# KiCad board poly_kb_wave_left.kicad_pcb (continued)
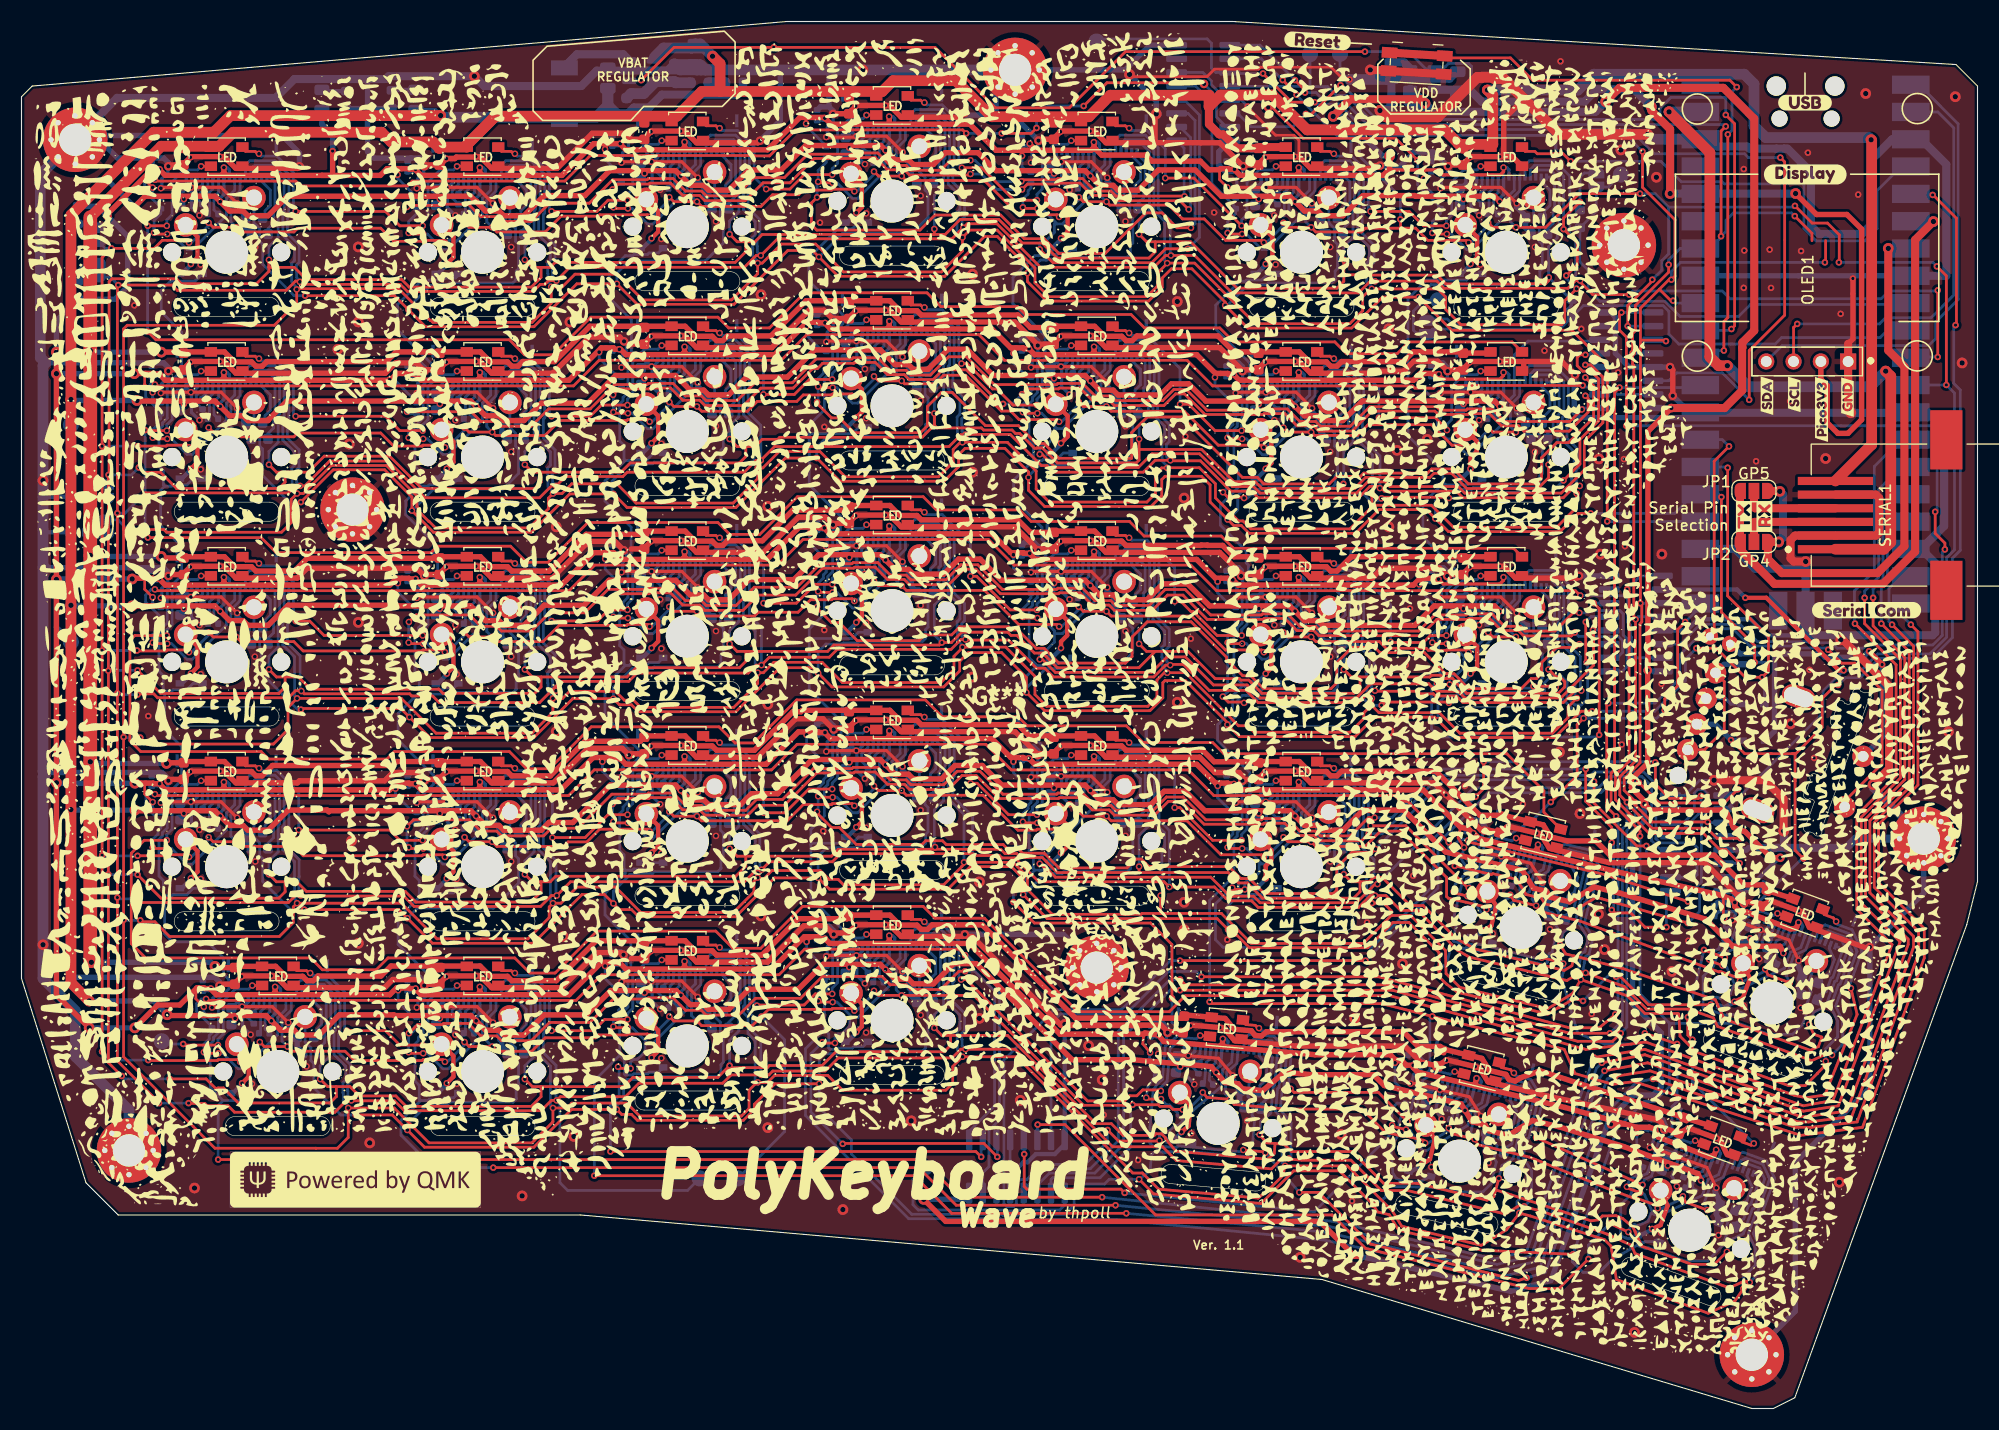
[diagram p0: board, top side]
## Routing (per net, layer and track width the routed paths; a pad name or vN(x,y) marks a point on that pad's centre or on a via; arc(x,y) is an arc through that point) (continued)
/K_D/C2P: length 3
  Bottom w0.254: C5_18.1 78.18,79.24 78.18,79.93 78.75,80.5 CONN18.4
/K_D/CS: length 105.7
  Top w0.254: v3(75.47,75.9) 74.22,75.9 v3(74.12,76) ; v3(144.96,71.09) 144.66,70.79 142.85,70.79 141.44,69.38 141.44,68.35 140.97,67.89 140.47,67.89 139.53,66.95 134.65,66.95 133.87,67.73 133.87,67.76 133.29,68.34 132.61,68.34 132.6,68.34 132.5,68.34 130.54,70.3 126.4,70.3 125.91,70.79 123.8,70.79 122.39,69.38 122.39,67.49 121.84,66.95 115.58,66.95 114.37,68.15 113.64,68.15 112.14,69.65 112.14,69.86 108.83,73.17 104.75,73.17 103.34,71.76 103.34,69.94 102.72,69.33 96.53,69.33 95.15,70.7 94.42,70.7 92.71,72.41 92.13,72.41 91.85,72.7 87.3,72.7 86.55,71.95 84.05,71.95 83.51,71.41 77.77,71.41 76.1,73.08 75.37,73.08 74.03,74.43 v3(74.03,74.55)
  Bottom w0.254: R1_18.2 74.88,77.8 74.61,77.54 74.61,77.24 74.12,76.75 v3(74.12,76) ; CONN18.10 81.75,79.97 80.99,79.21 80.99,77.63 77.81,74.46 77.32,74.46 75.88,75.9 v3(75.47,75.9) ; v3(144.96,71.09) 147.72,71.09 U6.3 ; v3(74.12,76) 74.03,75.9 v3(74.03,74.55) ; v3(74.12,76) 74.11,75.98
/K_D/LED_DIN: length 26.5
  Top w0.254: v3(88.3,77.4) 88.87,77.4 92,74.28 v3(94.48,74.28) ; v3(84.01,83.36) 83.88,83.36 83.66,83.59 82.76,83.59 82.37,83.98 ; v3(97.68,79.82) 98.58,79.82 LED19.2
  Bottom w0.254: v3(94.48,74.28) 94.48,74.83 94.98,75.32 94.98,78.37 96.1,79.48 97.34,79.48 v3(97.68,79.82) ; v3(88.3,77.4) 88.3,80.52 85.67,83.14 84.23,83.14 v3(84.01,83.36)
/K_D/LED_DOUT: length 26.1
  Top w0.254: LED18.2 79.53,82.2 v3(78.62,82.2) ; v3(75.43,76.66) 73.86,76.66 72.1,74.9 v3(69.05,74.9) ; v3(64.96,80.98) 64.83,80.98 64.61,81.2 63.71,81.2 63.32,81.6
  Bottom w0.254: v3(64.96,80.98) 65.18,80.76 66.62,80.76 69.05,78.34 v3(69.05,74.9) ; v3(78.62,82.2) 78.29,81.87 77.05,81.87 75.93,80.75 75.93,77.7 75.43,77.21 v3(75.43,76.66)
/K_D/SW-D: length 5.8
  Top w0.4: v3(77.67,73.11) 78.2,73.64 78.2,75.74 SW_K_18.2
  Bottom w0.25: 76.6,72.17 76.81,72.17
  Bottom w0.4: v3(77.67,73.11) 77.67,73.04 76.81,72.17
/K_D/VCOMH: length 4.2
  Bottom w0.254: 84.57,77.51 84.57,78.06 85.07,78.55 85.07,79.99 84.25,80.8 CONN18.15
/K_E/C1N: length 3.8
  Bottom w0.254: CONN11.7 80.25,98.82 79.82,98.39 79.82,97.2 C6_11.2
/K_E/C1P: length 3.6
  Bottom w0.254: C6_11.1 79.4,96.96 79.4,98.82 79.71,99.13 79.71,100.2 CONN11.6
/K_E/C2N: length 1.8
  Bottom w0.254: C5_11.2 78.76,98.85 79.25,99.33 CONN11.5
/K_E/C2P: length 3
  Bottom w0.254: C5_11.1 78.18,98.29 78.18,98.98 78.75,99.55 CONN11.4
/K_E/CS: length 111.3
  Top w0.254: v4(145.51,95.9) 146.28,95.13 146.28,92.16 143.95,89.84 142.85,89.84 141.44,88.43 141.44,86.54 140.89,86 134.63,86 133.24,87.39 131.21,87.39 130.83,87 124.9,87 124.59,86.69 122.39,86.69 121.69,86 115.6,86 114.99,86.6 113.6,86.6 107.98,92.22 104.75,92.22 103.3,90.77 103.3,88.4 103.27,88.38 96.53,88.38 95.15,89.75 94.42,89.75 92.76,91.41 89.69,91.41 86.6,94.5 85.6,94.5 84.29,93.19 84.29,91.39 83.65,90.76 77.48,90.76 76.1,92.13 75.37,92.13 74.03,93.48 v3(74.03,93.6) ; v3(75.47,94.95) 74.22,94.95 v3(74.12,95.05)
  Bottom w0.254: v3(75.47,94.95) 75.88,94.95 77.32,93.51 77.81,93.51 80.99,96.68 80.99,98.26 81.75,99.02 CONN11.10 ; U5.3 145.81,95.59 v4(145.51,95.9) ; v3(74.03,93.6) 74.12,93.7 v3(74.12,95.05) 74.12,95.8 74.61,96.29 74.61,96.59 74.88,96.85 R1_11.2
/K_E/LED_DIN: length 26.5
  Top w0.254: 82.37,103.03 82.76,102.64 83.66,102.64 83.88,102.41 v3(84.01,102.41) ; LED12.2 98.58,98.87 v3(97.68,98.87) ; v3(94.48,93.33) 92.26,93.33 90.76,94.83 90.35,94.83 87.99,97.19 v3(87.46,97.19)
  Bottom w0.254: v3(94.48,93.33) 94.48,93.88 94.98,94.37 94.98,97.42 96.1,98.53 97.34,98.53 v3(97.68,98.87) ; v3(84.01,102.41) 84.23,102.19 85.67,102.19 87.21,100.65 87.21,97.43 v3(87.46,97.19)
/K_E/LED_DOUT: length 25.6
  Top w0.254: v3(64.96,100.03) 64.83,100.03 64.61,100.25 63.71,100.25 63.32,100.65 ; LED11.2 79.53,101.25 v3(78.62,101.25) ; v3(69.04,94.32) 71.91,94.32 73.31,95.71 v3(75.43,95.71)
  Bottom w0.254: v3(69.04,94.32) 69.04,97.4 66.62,99.81 65.18,99.81 v3(64.96,100.03) ; v3(75.43,95.71) 75.43,96.26 75.93,96.75 75.93,99.8 77.05,100.92 78.29,100.92 v3(78.62,101.25)
/K_E/SW-D: length 5.8
  Top w0.4: SW_K_11.2 78.2,94.79 78.2,92.69 v3(77.67,92.16)
  Bottom w0.25: 76.6,91.22 76.81,91.22
  Bottom w0.4: v3(77.67,92.16) 77.67,92.09 76.81,91.22
/K_E/VCOMH: length 4.2
  Bottom w0.254: 84.57,96.56 84.57,97.11 85.07,97.6 85.07,99.04 84.25,99.85 CONN11.15
/K_F/C1N: length 3.8
  Bottom w0.254: C6_19.2 98.87,75.77 98.87,76.96 99.3,77.39 CONN19.7
/K_F/C1P: length 3.6
  Bottom w0.254: C6_19.1 98.45,75.53 98.45,77.39 98.76,77.7 98.76,78.77 CONN19.6
/K_F/C2N: length 1.8
  Bottom w0.254: CONN19.5 98.3,77.9 97.81,77.41 C5_19.2
/K_F/C2P: length 3
  Bottom w0.254: C5_19.1 97.23,76.86 97.23,77.55 97.8,78.12 CONN19.4
/K_F/CS: length 80
  Top w0.254: v3(93.18,73.62) 93.28,73.52 v3(94.53,73.52) ; v3(94.74,69.68) 94.98,69.68 96.2,68.47 105.16,68.47 106.6,69.9 108.3,69.9 110.91,67.3 114.04,67.3 115.25,66.09 124.21,66.09 125.53,67.4 130.95,67.4 131.47,66.88 131.53,66.88 131.71,66.7 133.68,66.7 134.3,66.09 143.23,66.09 146.28,69.13 146.28,72.35 v4(146.21,72.41)
  Bottom w0.254: v3(94.74,69.68) 94.74,70.28 95.02,70.56 95.38,70.56 96.11,71.29 96.11,72.08 ; 96.11,72.08 96.11,72.33 94.93,73.52 v3(94.53,73.52) ; 96.11,72.08 96.86,72.08 100.04,75.25 100.04,76.83 100.8,77.59 CONN19.10 ; U6.4 147.68,72.41 v4(146.21,72.41) ; v3(93.18,73.62) 93.18,74.37 93.66,74.86 93.66,75.16 93.93,75.42 R1_19.2
/K_F/LED_DIN: length 26.5
  Top w0.254: v3(116.72,77.44) 117.63,77.44 LED20.2 ; v3(103.06,80.98) 102.93,80.98 102.71,81.2 101.81,81.2 101.42,81.6 ; v3(107.3,75.07) 107.87,75.07 108.83,74.11 109.04,74.11 111.25,71.9 v3(113.53,71.9)
  Bottom w0.254: v3(113.53,71.9) 113.53,72.45 114.03,72.94 114.03,75.99 115.15,77.1 116.39,77.1 v3(116.72,77.44) ; v3(103.06,80.98) 103.28,80.76 104.72,80.76 107.3,78.19 v3(107.3,75.07)
/K_F/SW-D: length 5.8
  Top w0.4: v3(96.72,70.73) 96.72,71.33 97.3,71.9 97.3,73.31 SW_K_19.2
  Bottom w0.25: 95.65,69.79 95.86,69.79
  Bottom w0.4: 95.86,69.79 96.72,70.66 v3(96.72,70.73)
/K_F/VCOMH: length 4.2
  Bottom w0.254: 103.62,75.13 103.62,75.67 104.12,76.17 104.12,77.61 103.3,78.42 CONN19.15
/K_G/C1N: length 3.8
  Bottom w0.254: CONN20.7 118.35,75.01 117.92,74.58 117.92,73.39 C6_20.2
/K_G/C1P: length 3.6
  Bottom w0.254: CONN20.6 117.81,76.39 117.81,75.32 117.5,75.01 117.5,73.15 C6_20.1
/K_G/C2N: length 1.8
  Bottom w0.254: C5_20.2 116.86,75.03 117.35,75.52 CONN20.5
/K_G/C2P: length 3
  Bottom w0.254: CONN20.4 116.85,75.74 116.28,75.17 116.28,74.48 C5_20.1
/K_G/CS: length 68.6
  Top w0.254: v3(132.81,65.63) 132.73,65.71 126.85,65.71 v4(126.55,65.4) ; v3(113.58,71.14) 112.33,71.14 v3(112.22,71.24) ; v4(145.55,73.15) 145.55,69.49 v4(145.63,69.4) ; v3(111.78,66.21) 112.28,65.71 113.68,65.71 v3(113.76,65.63)
  Bottom w0.254: v4(145.55,73.15) 146.05,73.65 147.71,73.65 U6.5 ; v3(132.81,65.63) 133.14,65.63 133.38,65.88 133.62,65.88 133.67,65.93 133.69,65.93 133.78,66.02 135.26,66.02 135.4,66.16 141.17,66.16 141.71,66.7 141.71,67.48 142.37,68.15 143.23,68.15 143.81,67.57 143.81,66.17 144.55,65.43 145.12,65.43 145.72,66.02 145.72,69.32 v4(145.63,69.4) ; v3(111.78,66.21) 112.22,66.66 v3(112.22,71.24) 112.22,71.99 112.71,72.48 112.71,72.77 112.97,73.04 R1_20.2 ; CONN20.10 119.85,75.21 119.09,74.45 119.09,72.87 115.91,69.7 115.42,69.7 113.98,71.14 v3(113.58,71.14) ; v4(126.55,65.4) 125.47,65.4 124.71,66.16 116.35,66.16 116.21,66.02 114.73,66.02 114.64,65.93 114.62,65.93 114.57,65.88 114.33,65.88 114.09,65.63 v3(113.76,65.63)
/K_G/LED_DIN: length 26.2
  Top w0.254: LED21.2 136.68,77.44 v3(135.78,77.44) ; v3(122.11,78.6) 121.98,78.6 121.76,78.82 120.86,78.82 120.47,79.22 ; v3(132.58,71.9) 131.09,71.9 130.44,71.24 127.45,71.24 v3(127.4,71.29)
  Bottom w0.254: v3(127.4,71.29) 127.4,74.76 123.77,78.38 122.33,78.38 v3(122.11,78.6) ; v3(132.58,71.9) 132.58,72.45 133.08,72.94 133.08,75.99 134.2,77.1 135.44,77.1 v3(135.78,77.44)
/K_G/SW-D: length 5.8
  Top w0.4: v3(115.77,68.35) 116.3,68.88 116.3,70.97 SW_K_20.2
  Bottom w0.25: 114.7,67.41 114.91,67.41
  Bottom w0.4: v3(115.77,68.35) 115.77,68.27 114.91,67.41
/K_G/VCOMH: length 4.2
  Bottom w0.254: CONN20.15 122.35,76.04 123.17,75.22 123.17,73.79 122.67,73.29 122.67,72.74
/K_L1/C1N: length 3.8
  Bottom w0.254: CONN1.7 18.34,113.11 17.91,112.68 17.91,111.49 C6_1.2
/K_L1/C1P: length 3.6
  Bottom w0.254: C6_1.1 17.49,111.25 17.49,113.11 17.8,113.42 17.8,114.49 CONN1.6
/K_L1/C2N: length 1.8
  Bottom w0.254: C5_1.2 16.85,113.13 17.34,113.62 CONN1.5
/K_L1/C2P: length 3
  Bottom w0.254: CONN1.4 16.84,113.84 16.26,113.27 16.26,112.58 C5_1.1
/K_L1/CS: length 127.1
  Top w0.254: v4(98.83,121.14) 100.99,123.3 109.92,123.3 v2(110.03,123.2) ; v3(12.41,114.29) 12.54,114.16 25.53,114.16 25.97,113.71 35.91,113.71 36.35,114.16 50.56,114.16 52.94,116.54 68.16,116.54 68.2,116.5 69.6,116.5 72.02,118.92 87.58,118.92 v4(87.9,118.6) ; v3(13.56,109.24) 12.46,109.24 v3(12.33,109.36) ; v4(91.2,118.6) 93.95,118.6 v4(94.45,119.1)
  Bottom w0.25: 11.46,113.21 12.96,111.71 R1_1.2
  Bottom w0.254: CONN1.10 19.84,113.31 19.07,112.55 19.07,110.97 15.9,107.8 15.4,107.8 13.96,109.24 v3(13.56,109.24) ; v4(94.45,119.1) 94.45,120.08 95.51,121.14 v4(98.83,121.14) ; v3(12.33,109.36) 12.33,109.75 12.34,109.76 12.34,110.51 12.96,111.14 R1_1.2 ; v2(110.03,123.2) 111.18,122.05 111.18,120.13 112.12,119.19 U4.15 ; 11.46,113.21 11.46,113.96 11.79,114.29 v3(12.41,114.29) ; v4(87.9,118.6) v4(91.2,118.6)
/K_L1/LED_DOUT: length 155.3
  Top w0.254: v3(13.52,110) v4(11.75,110) ; v3(16.71,115.54) 17.62,115.54 LED1.2 ; LED14.4 138.68,99.2 129.1,99.2 128,98.1 123.3,98.1 122.2,99.2 112.8,99.2 111.5,100.5 104.49,100.5 103.25,101.75 93.41,101.75 92.68,102.48 85.54,102.48 84.26,103.76 72.86,103.76 69.6,100.5 65.8,100.5 64.8,101.5 52.98,101.5 49.48,98 46.8,98 45.4,99.4 12.5,99.4 v4(11.74,100.17)
  Bottom w0.254: v4(11.74,100.17) 11.74,109.98 v4(11.75,110) ; v3(16.71,115.54) 16.38,115.2 15.13,115.2 14.01,114.09 14.01,111.04 13.52,110.55 v3(13.52,110)
/K_L1/SW-D: length 5.9
  Top w0.4: SW_K_1.2 16.38,108.98 16.38,107.07 v3(15.76,106.45)
  Bottom w0.25: 14.69,105.51 14.9,105.51
  Bottom w0.4: v3(15.76,106.45) 15.76,106.37 14.9,105.51
/K_L1/VCOMH: length 4.2
  Bottom w0.254: 22.66,110.84 22.66,111.39 23.15,111.89 23.15,113.32 22.34,114.14 CONN1.15
/K_L2/C1N: length 3.8
  Bottom w0.254: C6_8.2 17.91,92.44 17.91,93.63 18.34,94.06 CONN8.7
/K_L2/C1P: length 3.6
  Bottom w0.254: C6_8.1 17.49,92.2 17.49,94.06 17.8,94.37 17.8,95.44 CONN8.6
/K_L2/C2N: length 1.8
  Bottom w0.254: C5_8.2 16.85,94.08 17.34,94.57 CONN8.5
/K_L2/C2P: length 3
  Bottom w0.254: C5_8.1 16.26,93.53 16.26,94.22 16.84,94.79 CONN8.4
/K_L2/CS: length 163.1
  Top w0.254: v4(145.26,95.15) 131.64,95.15 131.39,94.9 129.64,94.9 129.43,95.11 110.84,95.11 108.46,97.49 91.46,97.49 89.08,99.87 73.07,99.87 70.69,97.49 53.74,97.49 51.36,95.11 12.54,95.11 v3(12.41,95.24) ; v3(12.21,90.29) 12.31,90.19 v3(13.56,90.19)
  Bottom w0.25: R1_8.2 12.96,92.66 11.56,94.06
  Bottom w0.254: v3(12.41,95.24) 11.99,95.24 11.56,94.81 11.56,94.06 ; v3(12.21,90.29) 12.21,91.04 12.7,91.53 12.7,91.82 12.96,92.09 R1_8.2 ; v3(13.56,90.19) 13.96,90.19 15.4,88.75 15.9,88.75 19.07,91.92 19.07,93.5 19.84,94.26 CONN8.10 ; v4(145.26,95.15) 145.4,95.01 147.81,95.01 148.5,94.32 151.8,94.32
/K_L2/LED_DIN: length 30.4
  Top w0.254: v3(22.1,97.65) 21.97,97.65 21.75,97.87 20.85,97.87 20.45,98.27 ; LED9.2 41.43,96.49 v3(40.52,96.49) ; v3(37.33,90.95) 35.21,90.95 33.87,92.29 v3(25.51,92.29)
  Bottom w0.254: v3(37.33,90.95) 37.33,91.5 37.83,91.99 37.83,95.04 38.95,96.15 40.19,96.15 v3(40.52,96.49) ; v3(25.51,92.29) 25.3,92.5 25.3,95.89 23.76,97.43 22.32,97.43 v3(22.1,97.65)
/K_L2/LED_DOUT: length 155.7
  Top w0.254: LED21.4 138.83,80 112.78,80 111.64,81.14 104.46,81.14 103.1,82.5 93.95,82.5 92.87,83.58 85.12,83.58 83.9,84.8 72.2,84.8 68.7,81.3 65.9,81.3 64.8,82.4 52.7,82.4 49,78.7 47,78.7 45.5,80.2 38.7,80.2 38.1,79.6 23.7,79.6 22.3,81 v4(11.75,81) ; LED8.2 17.62,96.49 v3(16.71,96.49) ; v4(11.5,91) 11.55,90.95 v3(13.52,90.95)
  Bottom w0.254: v3(16.71,96.49) 16.38,96.15 15.13,96.15 14.01,95.04 14.01,91.99 13.52,91.5 v3(13.52,90.95) ; v4(11.75,81) 11.5,81.25 v4(11.5,91)
/K_L2/SW-D: length 5.9
  Top w0.4: SW_K_8.2 16.38,89.93 16.38,88.02 v3(15.76,87.4)
  Bottom w0.25: 14.69,86.46 14.9,86.46
  Bottom w0.4: v3(15.76,87.4) 15.76,87.32 14.9,86.46
/K_L2/VCOMH: length 4.2
  Bottom w0.254: CONN8.15 22.34,95.09 23.15,94.27 23.15,92.84 22.66,92.34 22.66,91.79
/K_L3/C1N: length 3.8
  Bottom w0.254: CONN15.7 18.34,75.01 17.91,74.58 17.91,73.39 C6_15.2
/K_L3/C1P: length 3.6
  Bottom w0.254: CONN15.6 17.8,76.39 17.8,75.32 17.49,75.01 17.49,73.15 C6_15.1
/K_L3/C2N: length 1.8
  Bottom w0.254: CONN15.5 17.34,75.52 16.85,75.03 C5_15.2
/K_L3/C2P: length 3
  Bottom w0.254: CONN15.4 16.84,75.74 16.26,75.17 16.26,74.48 C5_15.1
/K_L3/CS: length 168.9
  Top w0.254: v3(13.56,71.14) 12.31,71.14 v3(12.21,71.24) ; v3(12.41,76.19) 12.54,76.06 50.96,76.06 53.34,78.44 70.34,78.44 72.72,80.82 89.98,80.82 92.36,78.44 108.81,78.44 111.19,76.06 144.59,76.06 v3(145.03,75.61)
  Bottom w0.25: 12.08,76.19 11.55,75.65 11.55,75.02 12.96,73.61 R1_15.2
  Bottom w0.254: CONN15.10 19.84,75.21 19.07,74.45 19.07,72.87 15.9,69.7 15.4,69.7 13.96,71.14 v3(13.56,71.14) ; R1_15.2 12.96,73.04 12.7,72.77 12.7,72.48 12.21,71.99 v3(12.21,71.24) ; v3(145.03,75.61) 146.13,75.61 146.15,75.6 149.1,75.6 149.44,75.26 149.44,73.15 149.7,72.89 149.7,71.85 149.8,71.75 149.8,69.9 149.88,69.83 U6.15 ; 12.08,76.19 v3(12.41,76.19)
/K_L3/LED_DOUT: length 166.3
  Top w0.254: LED28.4 141.65,55.46 141.65,57.45 138.2,60.9 111.88,60.9 110.84,61.94 104.36,61.94 102.8,63.5 93.57,63.5 92.73,64.33 85.67,64.33 84.1,65.9 72.13,65.9 68.13,61.9 66.4,61.9 64.9,63.4 53.02,63.4 49.12,59.5 47,59.5 45.4,61.1 34.7,61.1 34,60.4 23,60.4 22.3,61.1 11.1,61.1 10.08,62.12 10.08,71.44 10.54,71.9 v3(13.52,71.9) ; v3(16.71,77.44) 17.62,77.44 LED15.2
  Bottom w0.254: v3(13.52,71.9) 13.52,72.45 14.01,72.94 14.01,75.99 15.13,77.1 16.38,77.1 v3(16.71,77.44)
/K_L3/SW-D: length 5.9
  Top w0.4: SW_K_15.2 16.38,70.88 16.38,68.97 v3(15.76,68.35)
  Bottom w0.25: 14.69,67.41 14.9,67.41
  Bottom w0.4: 14.9,67.41 15.76,68.27 v3(15.76,68.35)
/K_L3/VCOMH: length 4.2
  Bottom w0.254: 22.66,72.74 22.66,73.29 23.15,73.79 23.15,75.22 22.34,76.04 CONN15.15
/K_L4/C1N: length 3.8
  Bottom w0.254: C6_22.2 17.91,54.34 17.91,55.53 18.34,55.96 CONN22.7
/K_L4/C1P: length 3.6
  Bottom w0.254: CONN22.6 17.8,57.34 17.8,56.27 17.49,55.96 17.49,54.1 C6_22.1
/K_L4/C2N: length 1.8
  Bottom w0.254: CONN22.5 17.34,56.47 16.85,55.98 C5_22.2
/K_L4/C2P: length 3
  Bottom w0.254: C5_22.1 16.26,55.43 16.26,56.12 16.84,56.69 CONN22.4
/K_L4/CS: length 177.9
  Top w0.254: v3(12.21,52.19) 12.31,52.09 v3(13.56,52.09) ; v4(133.36,50.47) 133.63,50.47 133.7,50.4 136.76,49.67 136.89,49.75 139.13,49.21 139.99,47.81 141.42,47.46 141.75,46.93 144.45,46.28 146.5,47.54 147.05,47.4 v4(155.05,45.15) ; v3(12.41,57.14) 12.54,57.01 50.91,57.01 53.3,59.4 56.03,59.4 56.04,59.39 69.79,59.39 72.17,61.77 89.73,61.77 92.11,59.39 108.56,59.39 110.94,57.01 127.77,57.01 128.31,56.47 128.98,56.47 v4(132.8,52.65)
  Bottom w0.25: 11.58,55.94 12.96,54.56 R1_22.2
  Bottom w0.254: v4(133.36,50.47) 132.8,51.03 v4(132.8,52.65) ; CONN22.10 19.84,56.16 19.07,55.4 19.07,53.82 15.9,50.65 15.4,50.65 13.96,52.09 v3(13.56,52.09) ; 155.05,45.19 v4(155.05,45.15) 156.14,46.24 156.14,48.22 157.32,49.41 U7.15 ; v3(12.41,57.14) 11.78,57.14 11.58,56.94 11.58,55.94 ; R1_22.2 12.96,53.99 12.7,53.72 12.7,53.43 12.21,52.94 v3(12.21,52.19)
/K_L4/LED_DIN: length 30.5
  Top w0.254: v3(40.52,58.39) 41.43,58.39 LED23.2 ; v3(22.1,59.55) 21.97,59.55 21.75,59.77 20.85,59.77 20.45,60.17 ; v3(25.8,53.8) 34.25,53.8 35.21,52.85 v3(37.33,52.85)
  Bottom w0.254: v3(25.8,53.8) 25.8,57.29 23.76,59.33 22.32,59.33 v3(22.1,59.55) ; v3(37.33,52.85) 37.33,53.4 37.83,53.89 37.83,56.94 38.95,58.05 40.19,58.05 v3(40.52,58.39)
/K_L4/SW-D: length 5.9
  Top w0.4: SW_K_22.2 16.38,51.83 16.38,49.92 v3(15.76,49.3)
  Bottom w0.25: 14.69,48.36 14.9,48.36
  Bottom w0.4: 14.9,48.36 15.76,49.22 v3(15.76,49.3)
/K_L4/VCOMH: length 4.2
  Bottom w0.254: CONN22.15 22.34,56.99 23.15,56.17 23.15,54.74 22.66,54.24 22.66,53.69
/K_L6/C1N: length 3.8
  Bottom w0.254: CONN7.7 137.4,113.11 136.97,112.68 136.97,111.49 C6_7.2
/K_L6/C1P: length 3.6
  Bottom w0.254: C6_7.1 136.55,111.25 136.55,113.11 136.86,113.42 136.86,114.49 CONN7.6
/K_L6/C2N: length 1.8
  Bottom w0.254: CONN7.5 136.4,113.62 135.91,113.13 C5_7.2
/K_L6/C2P: length 3
  Bottom w0.254: C5_7.1 135.33,112.58 135.33,113.27 135.9,113.84 CONN7.4
/K_L6/CS: length 46.6
  Top w0.25: v2(116,121.02) 116.37,121.02 119.25,118.14 127.86,118.14 v4(129.9,116.1)
  Top w0.254: v3(131.28,109.34) 131.38,109.24 v3(132.62,109.24)
  Bottom w0.25: v2(116,121.02) 114.71,122.31 111.54,122.31 110.71,123.14 110.71,123.48 109.91,124.27 U4.6 ; v4(129.9,116.1) 129.9,116.1 129.9,113.83 132.03,111.71 R1_7.2
  Bottom w0.254: R1_7.2 132.03,111.14 131.28,110.39 v3(131.28,109.34) ; CONN7.10 138.9,113.31 138.14,112.55 138.14,110.97 134.96,107.8 134.47,107.8 133.03,109.24 v3(132.62,109.24)
/K_L6/SW-D: length 5.9
  Top w0.4: v3(134.82,106.45) 135.44,107.07 135.44,108.98 SW_K_7.2
  Bottom w0.25: 133.75,105.51 133.96,105.51
  Bottom w0.4: v3(134.82,106.45) 134.82,106.37 133.96,105.51
/K_L6/VCOMH: length 4.2
  Bottom w0.254: 141.72,110.84 141.72,111.39 142.22,111.89 142.22,113.32 141.4,114.14 CONN7.15
/K_L7/C1N: length 3.8
  Bottom w0.254: C6_14.2 136.97,92.44 136.97,93.63 137.4,94.06 CONN14.7
/K_L7/C1P: length 3.6
  Bottom w0.254: CONN14.6 136.86,95.44 136.86,94.37 136.55,94.06 136.55,92.2 C6_14.1
/K_L7/C2N: length 1.8
  Bottom w0.254: C5_14.2 135.91,94.08 136.4,94.57 CONN14.5
/K_L7/C2P: length 3
  Bottom w0.254: C5_14.1 135.33,93.53 135.33,94.22 135.9,94.79 CONN14.4
/K_L7/CS: length 25.5
  Bottom w0.254: U5.6 146.72,99.27 140.18,99.27 138.9,97.99 CONN14.10 138.9,94.26 138.14,93.5 138.14,91.92 134.96,88.75 134.47,88.75 133.03,90.19 132.62,90.19 131.76,91.05 131.76,91.82 ; 131.76,91.82 131.76,91.53 ; 131.76,91.82 132.03,92.09 R1_14.2
/K_L7/LED_DOUT: length 25.3
  Top w0.254: v3(122.11,97.65) 121.98,97.65 121.76,97.87 120.86,97.87 120.47,98.27 ; LED14.2 136.68,96.49 v3(135.78,96.49) ; v3(126.3,92.15) 131.55,92.15 132.64,91.06 v3(132.64,91)
  Bottom w0.254: v3(135.78,96.49) 135.44,96.15 134.2,96.15 133.08,95.04 133.08,91.99 132.64,91.55 v3(132.64,91) ; v3(122.11,97.65) 122.33,97.43 123.77,97.43 126.3,94.91 v3(126.3,92.15)
/K_L7/SW-D: length 5.8
  Top w0.4: v3(134.82,87.4) 134.82,88.43 135.4,89 135.4,89.97 SW_K_14.2
  Bottom w0.25: 133.75,86.46 133.96,86.46
  Bottom w0.4: v3(134.82,87.4) 134.82,87.32 133.96,86.46
/K_L7/VCOMH: length 4.2
  Bottom w0.254: CONN14.15 141.4,95.09 142.22,94.27 142.22,92.84 141.72,92.34 141.72,91.79
/K_L8/C1N: length 3.8
  Bottom w0.254: CONN21.7 137.4,75.01 136.97,74.58 136.97,73.39 C6_21.2
/K_L8/C1P: length 3.6
  Bottom w0.254: C6_21.1 136.55,73.15 136.55,75.01 136.86,75.32 136.86,76.39 CONN21.6
/K_L8/C2N: length 1.8
  Bottom w0.254: C5_21.2 135.91,75.03 136.4,75.52 CONN21.5
/K_L8/C2P: length 3
  Bottom w0.254: C5_21.1 135.33,74.48 135.33,75.17 135.9,75.74 CONN21.4
/K_L8/CS: length 54.3
  Top w0.254: v3(132.62,71.14) 131.38,71.14 v3(131.28,71.24) ; v3(131.71,67.47) 131.83,67.35 v3(132.88,67.35) ; v4(146.8,62.65) 146.8,74.4 v4(146.3,74.9)
  Bottom w0.254: v4(146.3,74.9) 147.72,74.9 U6.6 ; R1_21.2 132.03,73.04 131.76,72.77 131.76,72.48 131.28,71.99 v3(131.28,71.24) ; 134.47,69.7 133.03,71.14 v3(132.62,71.14) ; v4(146.8,62.65) 146.6,62.45 131.95,62.45 131.2,63.2 131.2,67.04 131.67,67.52 ; CONN21.10 138.9,75.21 138.14,74.45 138.14,72.87 134.96,69.7 134.21,69.7 134.21,68.91 133.48,68.18 133.12,68.18 132.88,67.93 v3(132.88,67.35) ; v3(131.71,67.47) 131.71,67.5 131.67,67.54
/K_L8/SW-D: length 5.9
  Top w0.4: SW_K_21.2 135.44,70.88 135.44,68.97 v3(134.82,68.35)
  Bottom w0.25: 133.75,67.41 133.96,67.41
  Bottom w0.4: v3(134.82,68.35) 134.82,68.27 133.96,67.41
/K_L8/VCOMH: length 4.2
  Bottom w0.254: CONN21.15 141.4,76.04 142.22,75.22 142.22,73.79 141.72,73.29 141.72,72.74
/K_L9/C1N: length 3.8
  Bottom w0.254: CONN28.7 140.08,50.31 139.56,49.99 139.28,48.84 C6_28.2
/K_L9/C1P: length 3.6
  Bottom w0.254: C6_28.1 138.82,48.7 139.26,50.51 139.63,50.74 139.88,51.78 CONN28.6
/K_L9/C2N: length 1.8
  Bottom w0.254: C5_28.2 138.64,50.68 139.23,51.04 CONN28.5
/K_L9/C2P: length 3
  Bottom w0.254: CONN28.4 138.8,51.37 138.1,50.95 137.94,50.28 C5_28.1
/K_L9/CS: length 57.2
  Top w0.254: v3(134.54,47.66) 133.32,47.95 v3(133.25,48.07) ; v4(155.05,47.15) 147.32,49.66 134.69,52.69 v3(134.6,52.84)
  Bottom w0.25: 133.61,51.71 134.53,50.2 R1_28.2
  Bottom w0.254: v3(134.54,47.66) 134.93,47.57 135.99,45.83 136.71,45.83 136.79,45.91 140.3,48.06 140.67,49.59 141.59,50.16 CONN28.10 ; v3(133.25,48.07) 133.42,48.8 134.01,49.16 134.08,49.45 134.4,49.65 R1_28.2 ; 133.61,51.71 133.55,51.77 133.55,52.65 133.81,52.92 134.27,52.92 v3(134.6,52.84) ; U7.6 154.64,54.49 155.64,55.49 155.64,57.22 155.99,57.57 156.51,57.57 156.85,57.22 156.85,55.47 156.3,54.92 156.3,54.38 156.31,54.37 156.31,48.97 155.05,47.71 v4(155.05,47.15)
/K_L9/SW-D: length 5.9
  Top w0.4: SW_K_28.2 137.21,46.76 136.77,44.89 v3(136.02,44.44)
  Bottom w0.25: 134.76,43.77 134.96,43.73
  Bottom w0.4: 134.96,43.73 136,44.36 v3(136.02,44.44)
/K_L9/VCOMH: length 4.2
  Bottom w0.254: CONN28.15 144.21,50.38 144.82,49.4 144.48,48 143.88,47.63 143.75,47.1
/K_Q/C1N: length 3.8
  Bottom w0.254: CONN9.7 42.15,94.06 41.72,93.63 41.72,92.44 C6_9.2
/K_Q/C1P: length 3.6
  Bottom w0.254: CONN9.6 41.61,95.44 41.61,94.37 41.3,94.06 41.3,92.2 C6_9.1
/K_Q/C2N: length 1.8
  Bottom w0.254: CONN9.5 41.15,94.57 40.66,94.08 C5_9.2
/K_Q/C2P: length 3
  Bottom w0.254: CONN9.4 40.65,94.79 40.08,94.22 40.08,93.53 C5_9.1
/K_Q/CS: length 138.7
  Top w0.254: v3(145.19,92.92) 144.06,91.8 137.99,91.8 136.83,92.96 134.53,92.96 134.42,92.85 132,92.85 131.68,93.17 125.45,93.17 123.63,91.36 120.86,91.36 120.41,91.8 118.94,91.8 117.78,92.96 115.48,92.96 115.37,92.85 110.3,92.85 108.38,94.77 107.22,94.77 106.18,93.74 101.81,93.74 101.36,94.18 99.89,94.18 98.73,95.34 96.43,95.34 96.32,95.24 90.52,95.24 87.93,97.82 86.27,97.82 84.57,96.12 82.76,96.12 82.31,96.56 80.84,96.56 79.68,97.73 77.38,97.73 77.27,97.62 73.94,97.62 71.72,95.4 68.25,95.4 66.58,93.74 63.71,93.74 63.26,94.18 61.79,94.18 60.63,95.34 58.33,95.34 58.22,95.24 55.18,95.24 52.92,92.97 49.05,92.97 47.43,91.36 44.66,91.36 44.21,91.8 42.74,91.8 41.84,92.71 v3(35.87,92.71) ; v3(37.38,90.19) 36.13,90.19 v3(36.02,90.29)
  Bottom w0.25: R1_9.2 36.04,92.54 v3(35.87,92.71)
  Bottom w0.254: CONN9.10 43.65,94.26 42.89,93.5 42.89,91.92 39.71,88.75 39.22,88.75 37.78,90.19 v3(37.38,90.19) ; v3(145.19,92.92) 145.31,93.05 146.85,93.05 ; v3(36.02,90.29) 36.02,91.04 36.51,91.53 36.51,91.82 36.77,92.09 R1_9.2
/K_Q/LED_DIN: length 25.5
  Top w0.254: 60.49,98.87 60.48,98.87 v3(59.57,98.87) ; v3(56.38,93.33) 53.95,93.33 52.92,92.3 49.33,92.3 v3(49.32,92.29) ; 44.26,98.27 44.66,97.87 45.56,97.87 45.78,97.65 v3(45.91,97.65)
  Bottom w0.254: v3(56.38,93.33) 56.38,93.88 56.88,94.37 56.88,97.42 58,98.53 59.24,98.53 v3(59.57,98.87) ; v3(49.32,92.29) 49.11,92.5 49.11,95.89 47.57,97.43 46.13,97.43 v3(45.91,97.65)
/K_Q/SW-D: length 5.9
  Top w0.4: v3(39.57,87.4) 40.19,88.02 40.19,89.93 SW_K_9.2
  Bottom w0.25: 38.5,86.46 38.71,86.46
  Bottom w0.4: 38.71,86.46 39.57,87.32 v3(39.57,87.4)
/K_Q/VCOMH: length 4.2
  Bottom w0.254: 46.47,91.79 46.47,92.34 46.97,92.84 46.97,94.27 46.15,95.09 CONN9.15
/K_R/C1N: length 3.8
  Bottom w0.254: C6_12.2 98.87,94.82 98.87,96.01 99.3,96.44 CONN12.7
/K_R/C1P: length 3.6
  Bottom w0.254: CONN12.6 98.76,97.82 98.76,96.75 98.45,96.44 98.45,94.58 C6_12.1
/K_R/C2N: length 1.8
  Bottom w0.254: CONN12.5 98.3,96.95 97.81,96.46 C5_12.2
/K_R/C2P: length 3
  Bottom w0.254: C5_12.1 97.23,95.91 97.23,96.6 97.8,97.17 CONN12.4
/K_R/CS: length 86.5
  Top w0.254: v3(93.18,92.67) 93.28,92.57 v3(94.53,92.57) ; v4(145.51,97.06) 146.01,97.06 147.14,95.94 147.14,91.69 145.41,89.96 145.41,87.29 143.26,85.14 134.3,85.14 133.68,85.75 127.32,85.75 126.88,86.19 125.26,86.19 124.21,85.14 115.25,85.14 114.63,85.75 112.66,85.75 109.62,88.8 105.19,88.8 103.91,87.52 96.2,87.52 94.95,88.76 v3(94.74,88.76)
  Bottom w0.254: U5.4 146.65,97.06 v4(145.51,97.06) ; CONN12.10 100.8,96.64 100.04,95.88 100.04,94.3 96.86,91.13 96.11,91.13 96.11,90.34 95.38,89.61 95.02,89.61 94.74,89.33 v3(94.74,88.76) ; v3(93.18,92.67) 93.18,93.42 93.66,93.91 93.66,94.21 93.93,94.47 R1_12.2 ; 96.37,91.13 94.93,92.57 v3(94.53,92.57)
/K_R/LED_DIN: length 26.6
  Top w0.254: v3(113.53,90.95) 111.06,90.95 108.6,93.4 v3(107.8,93.4) ; 101.42,100.65 101.81,100.25 102.71,100.25 102.93,100.03 v3(103.06,100.03) ; LED13.2 117.63,96.49 v3(116.72,96.49)
  Bottom w0.254: v3(107.8,93.4) 107.8,96.74 104.72,99.81 103.28,99.81 v3(103.06,100.03) ; v3(116.72,96.49) 116.39,96.15 115.15,96.15 114.03,95.04 114.03,91.99 113.53,91.5 v3(113.53,90.95)
/K_R/SW-D: length 5.9
  Top w0.4: SW_K_12.2 97.34,92.31 97.34,90.4 v3(96.72,89.78)
  Bottom w0.25: 95.65,88.84 95.86,88.84
  Bottom w0.4: v3(96.72,89.78) 96.72,89.71 95.86,88.84
/K_R/VCOMH: length 4.2
  Bottom w0.254: CONN12.15 103.3,97.47 104.12,96.66 104.12,95.22 103.62,94.72 103.62,94.18
/K_S/C1N: length 3.8
  Bottom w0.254: CONN17.7 61.2,77.39 60.77,76.96 60.77,75.77 C6_17.2
/K_S/C1P: length 3.6
  Bottom w0.254: C6_17.1 60.35,75.53 60.35,77.39 60.66,77.7 60.66,78.77 CONN17.6
/K_S/C2N: length 1.8
  Bottom w0.254: CONN17.5 60.2,77.9 59.71,77.41 C5_17.2
/K_S/C2P: length 3
  Bottom w0.254: C5_17.1 59.13,76.86 59.13,77.55 59.7,78.12 CONN17.4
/K_S/CS: length 121.7
  Top w0.254: v3(144.52,72.18) 144.19,71.85 139.79,71.85 139.29,72.35 137.73,72.35 136.59,73.48 134.67,73.48 134.58,73.4 131.69,73.4 130.17,71.88 120.71,71.88 120.24,72.35 118.68,72.35 117.54,73.48 115.62,73.48 115.53,73.4 110.33,73.4 108.07,75.65 106.64,75.65 105.22,74.23 101.69,74.23 101.19,74.73 99.63,74.73 98.49,75.86 96.57,75.86 96.48,75.78 91.1,75.78 88.81,78.07 87.71,78.07 86.26,76.62 82.64,76.62 82.14,77.11 80.58,77.11 79.44,78.25 77.52,78.25 77.43,78.16 74.54,78.16 72.03,75.65 68.55,75.65 67.13,74.23 63.59,74.23 63.09,74.73 61.53,74.73 60.39,75.86 58.47,75.86 58.38,75.78 55.49,75.78 v3(54.99,75.28) ; v3(55.07,73.62) 55.18,73.52 v3(56.43,73.52)
  Bottom w0.254: v3(55.07,73.62) 55.07,75.2 v3(54.99,75.28) 54.99,75.6 55.27,75.87 R1_17.2 ; v3(56.43,73.52) 56.83,73.52 58.27,72.08 58.76,72.08 61.94,75.25 61.94,76.83 62.7,77.59 CONN17.10 ; v3(144.52,72.18) 144.89,71.82 146.24,71.82 146.27,71.79 148.62,71.79 148.98,71.42 148.98,70.33 148.47,69.83 U6.2
/K_S/SW-D: length 5.9
  Top w0.4: SW_K_17.2 59.24,73.26 59.24,71.35 v3(58.62,70.73)
  Bottom w0.25: 57.55,69.79 57.76,69.79
  Bottom w0.4: 57.76,69.79 58.62,70.66 v3(58.62,70.73)
/K_S/VCOMH: length 4.2
  Bottom w0.254: CONN17.15 65.2,78.42 66.02,77.61 66.02,76.17 65.52,75.67 65.52,75.13
/K_T/C1N: length 3.8
  Bottom w0.254: CONN13.7 118.35,94.06 117.92,93.63 117.92,92.44 C6_13.2
/K_T/C1P: length 3.6
  Bottom w0.254: CONN13.6 117.81,95.44 117.81,94.37 117.5,94.06 117.5,92.2 C6_13.1
/K_T/C2N: length 1.8
  Bottom w0.254: CONN13.5 117.35,94.57 116.86,94.08 C5_13.2
/K_T/C2P: length 3
  Bottom w0.254: CONN13.4 116.85,94.79 116.28,94.22 116.28,93.53 C5_13.1
/K_T/CS: length 70
  Top w0.254: v4(145.52,98) 145.01,98 144.75,97.75 144.75,96.99 145.26,96.48 146.02,96.48 146.74,95.77 146.74,91.86 145.01,90.13 145.01,87.84 v4(143.48,86.32) ; v3(113.58,90.19) 112.33,90.19 v3(112.22,90.29) ; v3(132.81,84.68) 132.73,84.76 126.65,84.76 v3(126.55,84.65) ; v3(111.79,85.22) 112.25,84.76 113.68,84.76 v3(113.76,84.68)
  Bottom w0.254: v3(111.79,85.22) 112.22,85.66 v3(112.22,90.29) 112.22,91.04 112.71,91.53 112.71,91.82 112.97,92.09 R1_13.2 ; v4(145.52,98) 146.72,98 U5.5 ; v3(132.81,84.68) 134.93,84.68 135.45,85.2 142.37,85.2 v4(143.48,86.32) ; v3(113.58,90.19) 113.98,90.19 115.46,88.7 115.87,88.7 119.09,91.92 119.09,93.5 119.85,94.26 CONN13.10 ; v3(113.76,84.68) 114.09,84.68 114.38,84.98 114.64,84.98 114.73,85.07 124.85,85.07 125.45,84.48 126.37,84.48 v3(126.55,84.65)
/K_T/SW-D: length 5.8
  Top w0.4: SW_K_13.2 116.3,90.02 116.3,87.93 v3(115.77,87.4)
  Bottom w0.25: 114.7,86.46 114.91,86.46
  Bottom w0.4: v3(115.77,87.4) 115.77,87.32 114.91,86.46
/K_T/VCOMH: length 4.2
  Bottom w0.254: CONN13.15 122.35,95.09 123.17,94.27 123.17,92.84 122.67,92.34 122.67,91.79
/K_V/C1N: length 3.8
  Bottom w0.254: C6_26.2 98.87,56.72 98.87,57.91 99.3,58.34 CONN26.7
/K_V/C1P: length 3.6
  Bottom w0.254: C6_26.1 98.45,56.48 98.45,58.34 98.76,58.65 98.76,59.72 CONN26.6
/K_V/C2N: length 1.8
  Bottom w0.254: C5_26.2 97.81,58.36 98.3,58.85 CONN26.5
/K_V/C2P: length 3
  Bottom w0.254: CONN26.4 97.8,59.07 97.23,58.5 97.23,57.81 C5_26.1
/K_V/CS: length 88.7
  Top w0.254: v3(94.53,54.47) 93.28,54.47 v3(93.18,54.57) ; v3(126.17,48.78) 125.95,48.78 124.21,47.04 115.25,47.04 114.63,47.65 112.66,47.65 112.48,47.83 112.46,47.83 112.42,47.86 112.21,47.86 110.66,49.42 96.2,49.42 95.58,50.03 95.43,50.03 94.79,50.66 v3(94.74,50.66)
  Bottom w0.254: v3(93.18,54.57) 93.18,55.32 93.66,55.81 93.66,56.11 93.93,56.37 R1_26.2 ; v3(94.53,54.47) 94.93,54.47 96.37,53.03 ; v3(94.74,50.66) 94.74,51.23 95.02,51.51 95.38,51.51 96.11,52.24 96.11,53.03 96.86,53.03 100.04,56.2 100.04,57.78 100.8,58.54 CONN26.10 ; 152.59,51.9 151.67,52.82 151.67,57.88 150.76,58.8 147.79,58.8 146.72,57.72 135.12,57.72 v3(126.17,48.78)
/K_V/SW-D: length 5.9
  Top w0.4: SW_K_26.2 97.34,54.21 97.34,52.3 v3(96.72,51.68)
  Bottom w0.25: 95.65,50.74 95.86,50.74
  Bottom w0.4: 95.86,50.74 96.72,51.61 v3(96.72,51.68)
/K_V/VCOMH: length 4.2
  Bottom w0.254: CONN26.15 103.3,59.37 104.12,58.56 104.12,57.12 103.62,56.62 103.62,56.08
/K_W/C1N: length 3.8
  Bottom w0.254: C6_10.2 60.77,94.82 60.77,96.01 61.2,96.44 CONN10.7
/K_W/C1P: length 3.6
  Bottom w0.254: C6_10.1 60.35,94.58 60.35,96.44 60.66,96.75 60.66,97.82 CONN10.6
/K_W/C2N: length 1.8
  Bottom w0.254: CONN10.5 60.2,96.95 59.71,96.46 C5_10.2
/K_W/C2P: length 3
  Bottom w0.254: C5_10.1 59.13,95.91 59.13,96.6 59.7,97.17 CONN10.4